# Altium PCB Digital_Optical_18Tx_14Tx4Rx.PcbDoc (part 1 of 2)
Units mm, origin at the board's own origin, x right, y up, seen from the top; angles counter-clockwise.
Board outline 155.99 x 100 mm, 2 copper layers (Top Layer, Bottom Layer); 176 components, 117 nets, 628 pads, 349 vias.
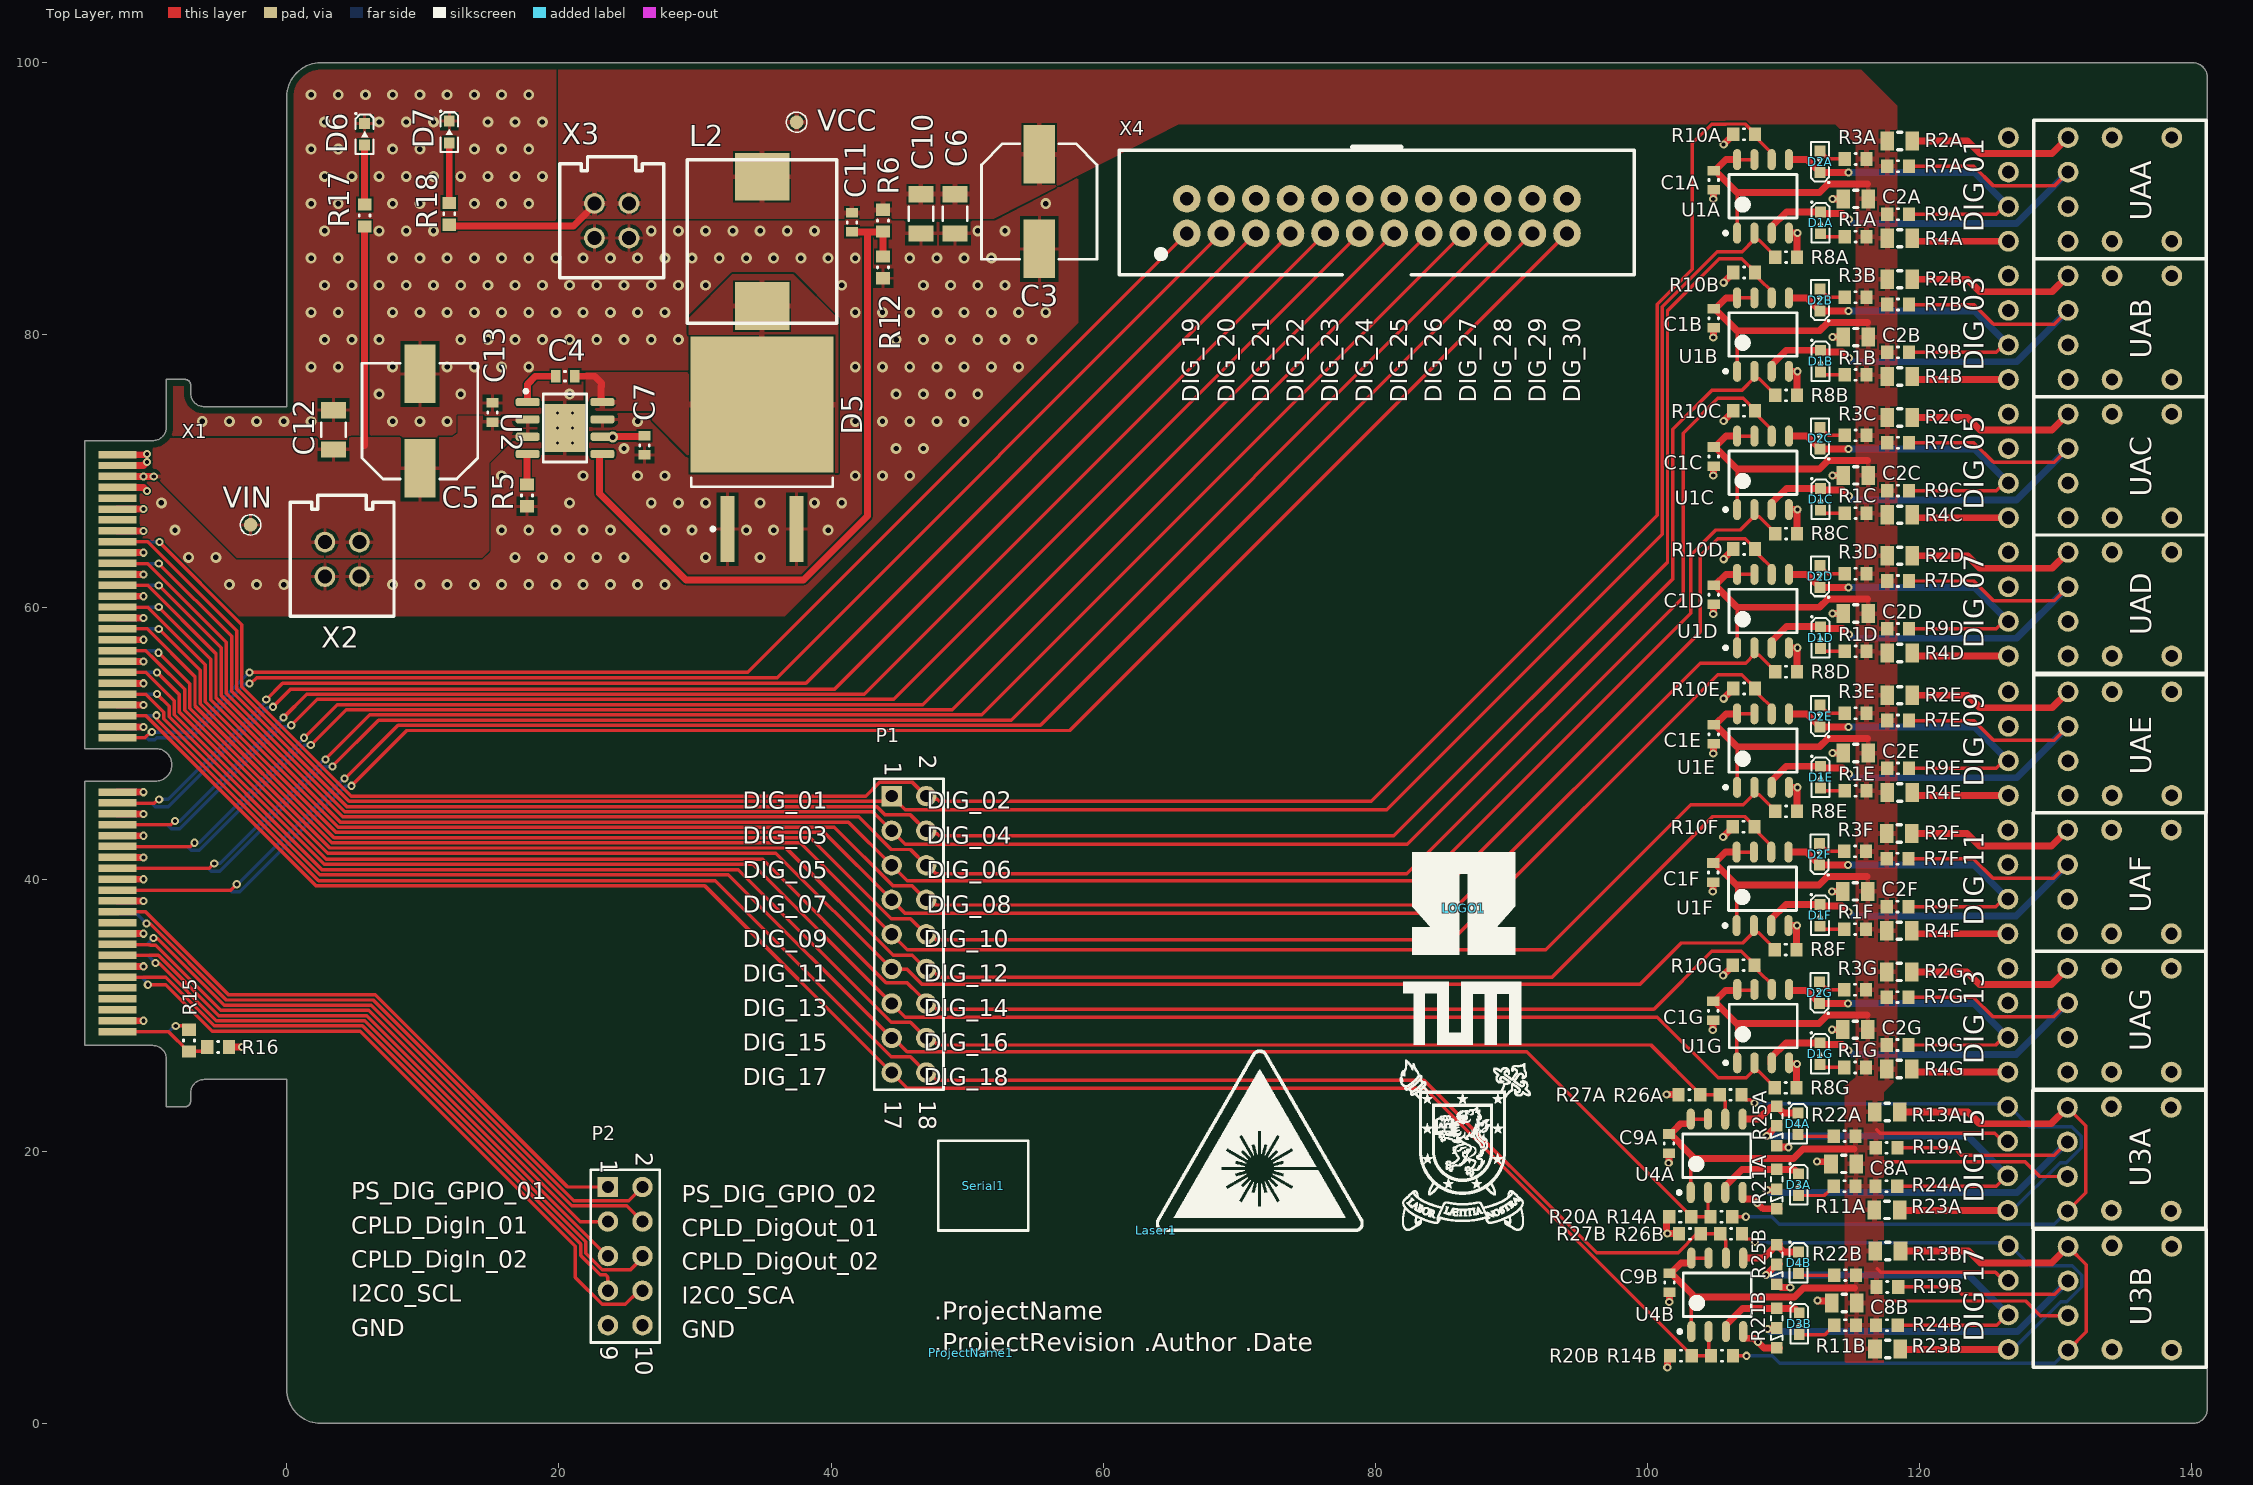
[diagram p0: Top Layer view]
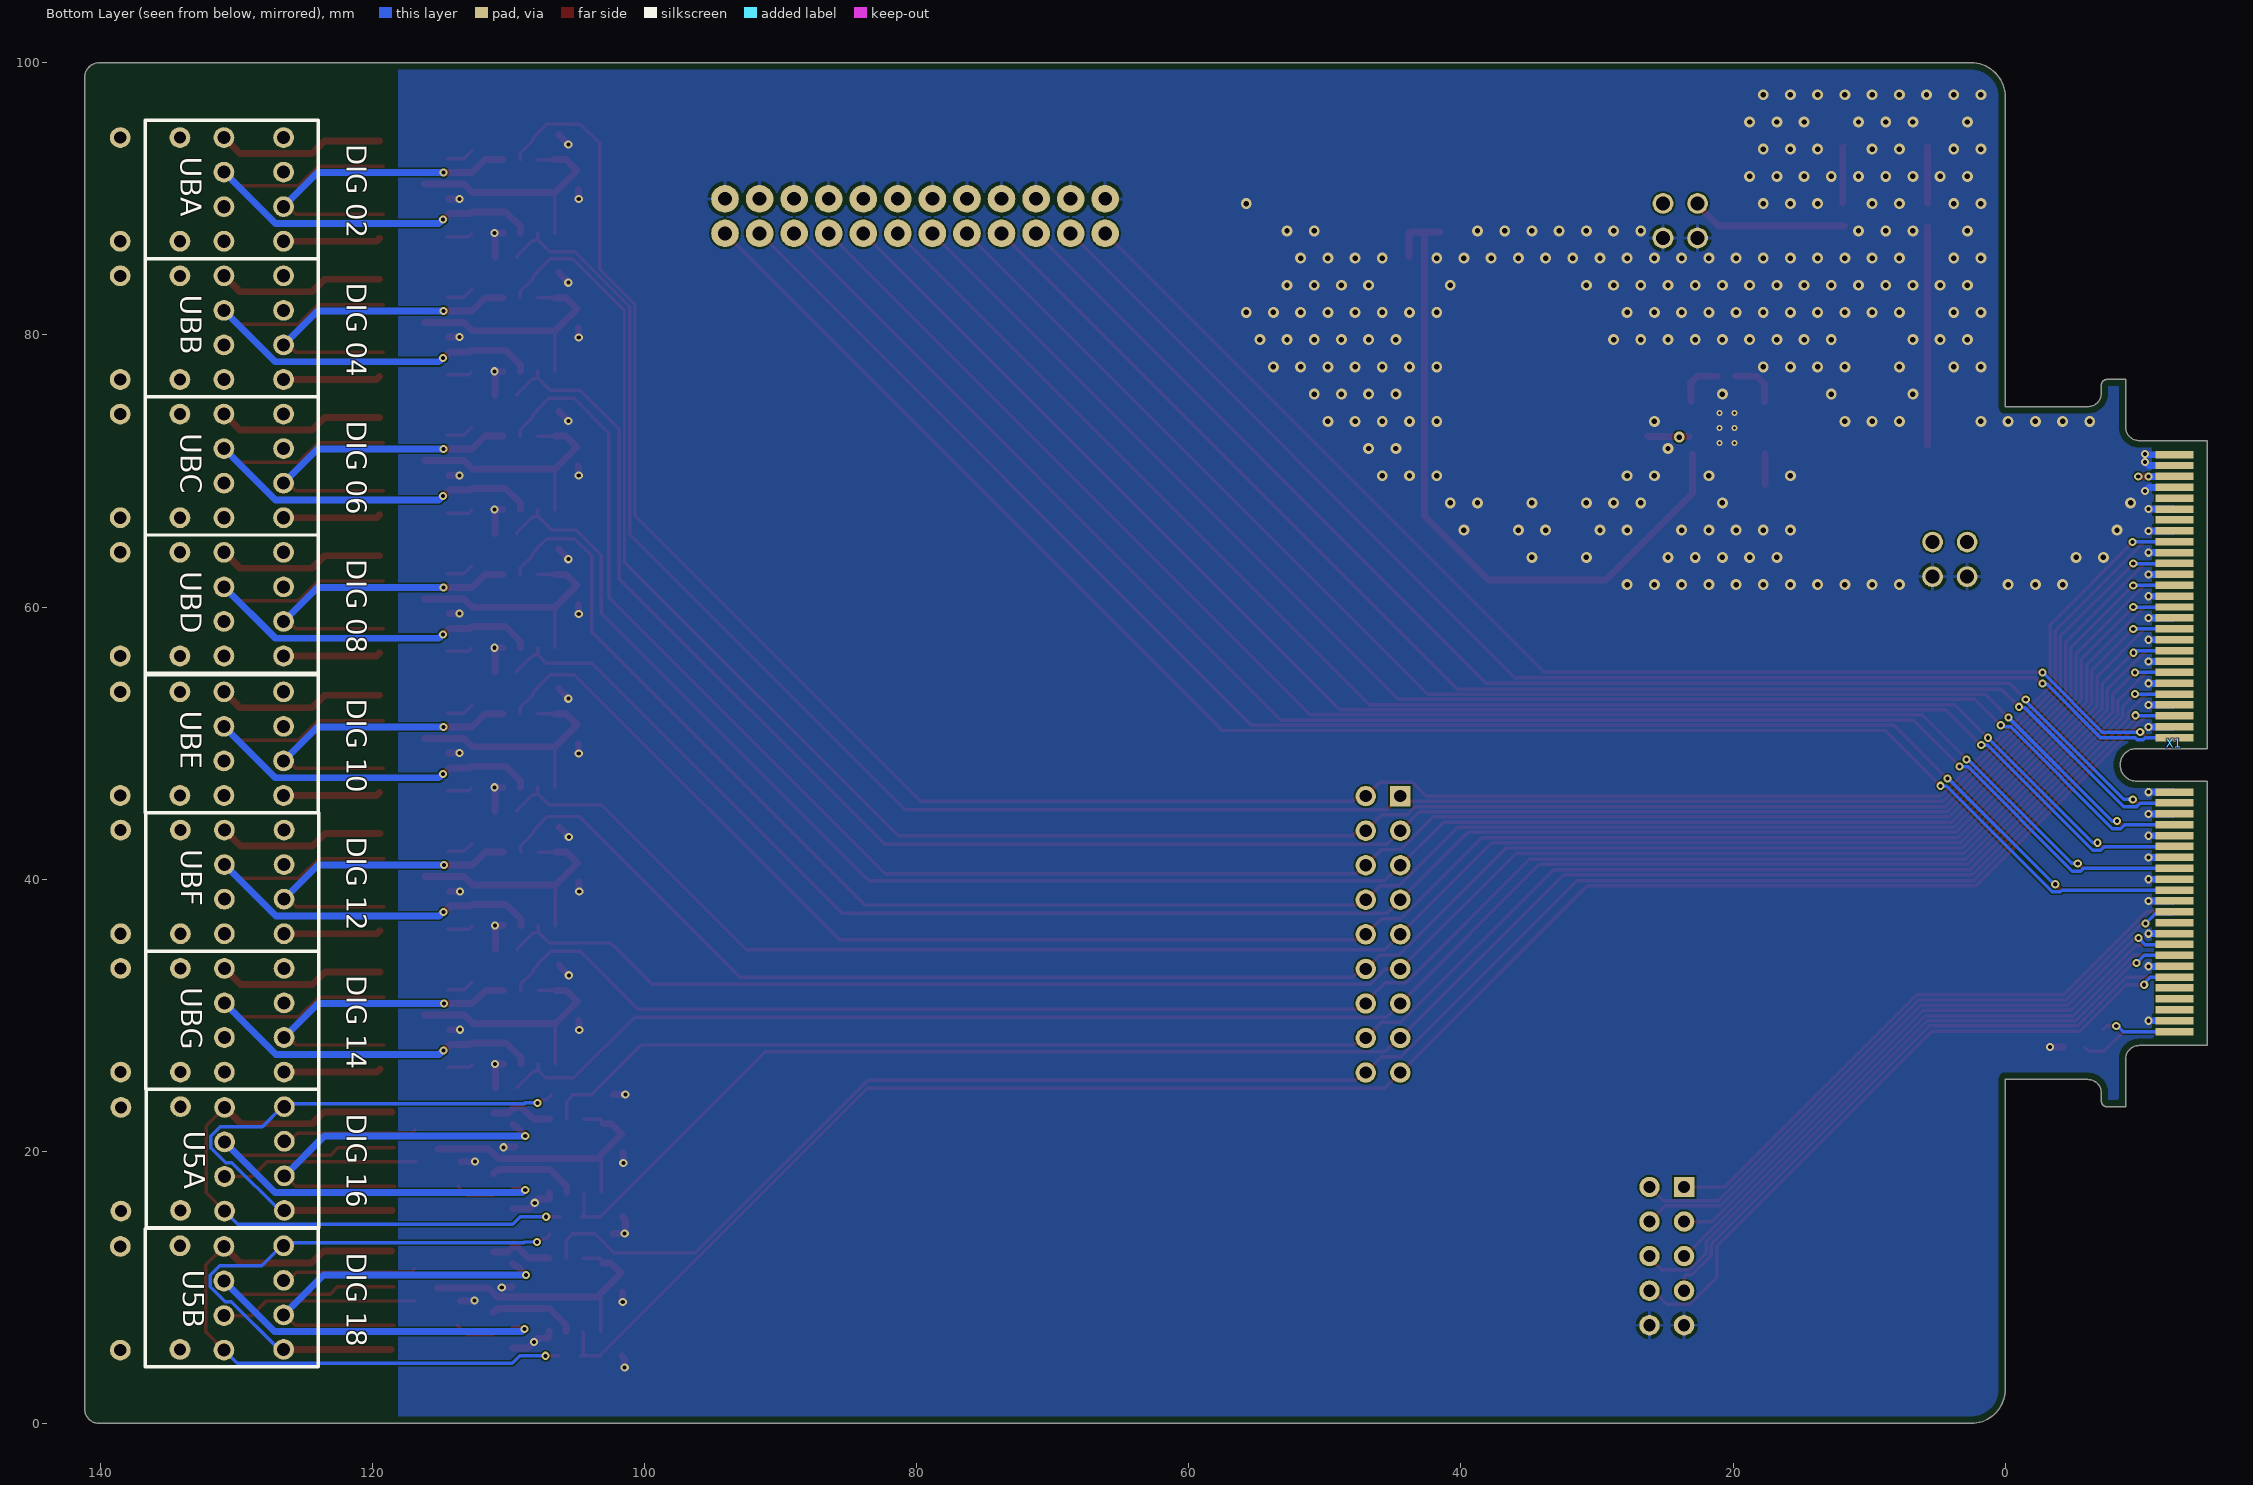
[diagram p1: Bottom Layer view, seen from below]
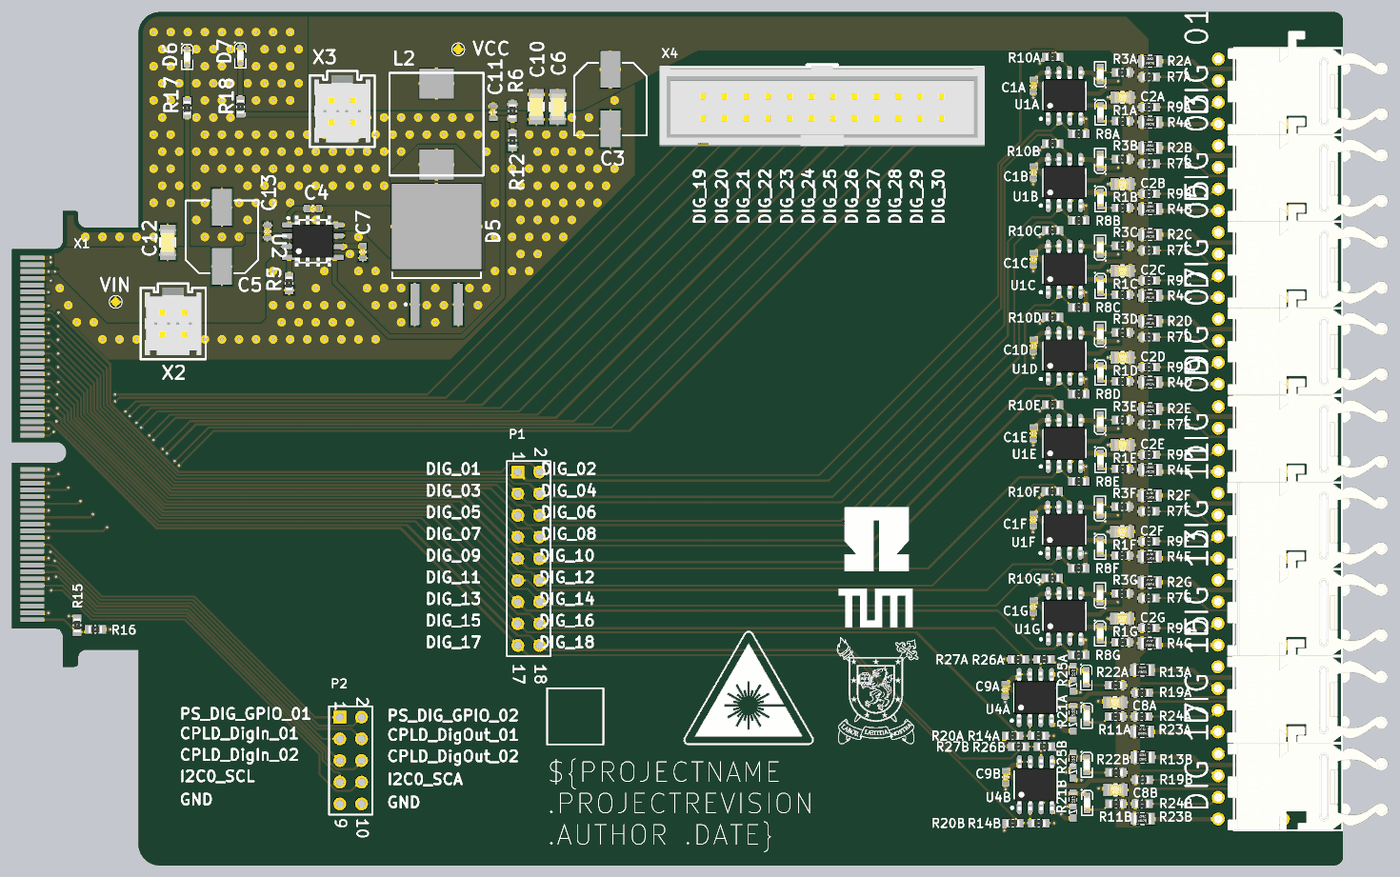
[diagram p3: 3D render of the assembled board from above, using the file's embedded part models]
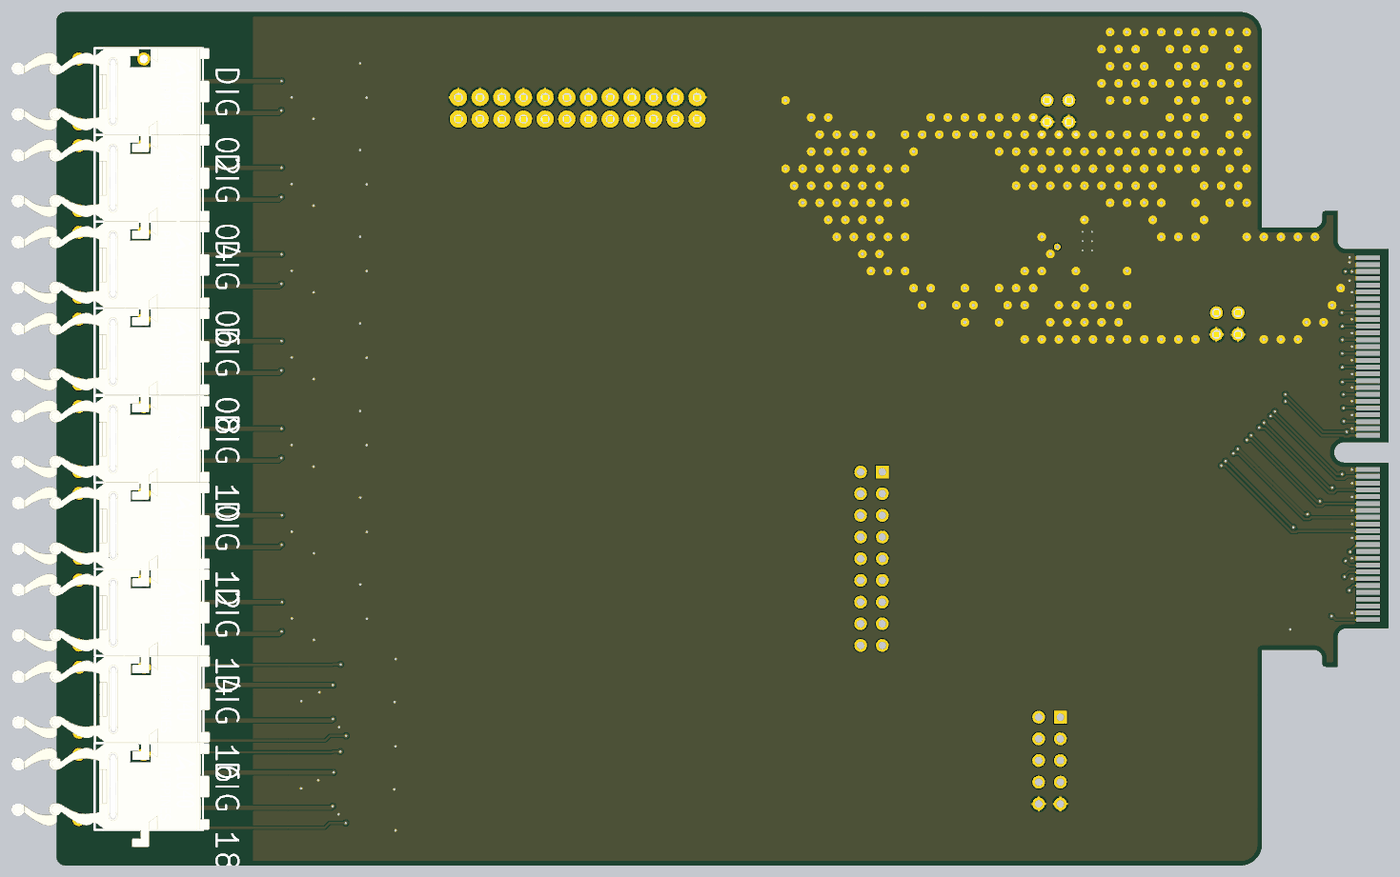
[diagram p4: 3D render of the assembled board from below, using the file's embedded part models]

## Layer stack, top to bottom
Top Solder: solder mask 0.0102, Solder Resist, Dk 3.5
Top Layer: signal copper 0.0356
Dielectric 1: dielectric 0.32, FR-4, Dk 4.8
Bottom Layer: signal copper 0.0356
Bottom Solder: solder mask 0.0102, Solder Resist, Dk 3.5

## Board outline
-14.853,27.775 -9.853,27.775 cw(c-9.853,26.775) -8.853,26.775 -8.853,23.275 -7.473,23.275 ccw(c-7.473,23.675) -7.073,23.675 -7.073,24.275 cw(c-6.073,24.275) -6.073,25.275 0,25.275 0,2.5 ccw(c2.5,2.5) 2.5,0 140,0 ccw(c140.07,1.07) 141.141,1 141.141,99 ccw(c140.07,98.93) 140,100 2.5,100 ccw(c2.5,97.5) 0,97.5 0,74.725 -6.073,74.725 cw(c-6.073,75.725) -7.073,75.725 -7.073,76.325 ccw(c-7.473,76.325) -7.473,76.725 -8.853,76.725 -8.853,73.225 cw(c-9.853,73.225) -9.853,72.225 -14.853,72.225 -14.853,49.6 -9.653,49.6 cw(c-9.653,48.4) -9.653,47.2 -14.853,47.2

## Design rules (kind name [scope] priority, off if disabled: settings)
BoardOutlineClearance [All] p1: gap=0.508 ignorepadtopadclearanceinfootprint=FALSE except(0: Arc-OutlineEdge Arc-CavityEdge Arc-CutoutEdge Arc-SplitBarrior Arc-SplitContinuation Track-OutlineEdge Track-CavityEdge Track-CutoutEdge Track-SplitBarrior Track-SplitContinuation Region-OutlineEdge Region-CavityEdge Region-CutoutEdge Region-SplitBarrior Region-SplitContinuation Text-OutlineEdge Text-CavityEdge Text-CutoutEdge Text-SplitBarrior Text-SplitContinuation)
Clearance [All] p1: gap=0.127 ignorepadtopadclearanceinfootprint=FALSE
HoleSize [All] p1: absolutevalues=TRUE maxlimit=6.3 minlimit=0.2 maxpercent=80.000 minpercent=20.000
MinimumSolderMaskSliver [All] p1: minsoldermaskwidth=0
PolygonConnect PolygonConnect_1 [InNet('VIN')] p1: connectstyle=Relief reliefconductorwidth=0.254 reliefentries=4 polygonreliefangle="90 Angle" airgapwidth=0.254
PolygonConnect PolygonConnect_GND [InNet('GND')] p2: thpad.connectstyle=Relief thpad.reliefconductorwidth=0.254 thpad.reliefentries=4 thpad.polygonreliefangle="90 Angle" thpad.airgapwidth=0.254 smdpad.connectstyle=Relief smdpad.reliefconductorwidth=0.254 smdpad.reliefentries=4 smdpad.polygonreliefangle="90 Angle" smdpad.airgapwidth=0.254 via.connectstyle=Direct via.reliefconductorwidth=0.254 via.reliefentries=4 via.polygonreliefangle="90 Angle" via.airgapwidth=0.254
PolygonConnect [All] p3: connectstyle=Relief reliefconductorwidth=0.381 reliefentries=4 polygonreliefangle="90 Angle" airgapwidth=0.127
RoomDefinition TX_PWM2 [InComponentClass('TX_PWM2')] p1: confinementstyle=ConfineIn formatcopy=TRUE lockcomponents=FALSE outline 104.042,79.79 104.042,82.648 105.234,82.648 105.234,84.002 105.321,84.002 105.321,85.613 122.968,85.613 122.968,85.992 127.356,85.992 127.356,87.896 146.663,87.896 146.663,75.07 142.275,75.07 142.275,73.166 122.968,73.166 122.968,74.527 108.416,74.527 108.416,76.044 105.234,76.044 105.234,79.79
RoomDefinition TX_PWM7 [InComponentClass('TX_PWM7')] p2: confinementstyle=ConfineIn formatcopy=TRUE lockcomponents=FALSE outline 104.007,28.888 104.007,31.746 105.199,31.746 105.199,33.1 105.286,33.1 105.286,34.711 122.933,34.711 122.933,35.09 127.321,35.09 127.321,36.994 146.628,36.994 146.628,24.168 142.24,24.168 142.24,22.264 122.933,22.264 122.933,23.625 108.381,23.625 108.381,25.142 105.199,25.142 105.199,28.888
RoomDefinition TX_PWM6 [InComponentClass('TX_PWM6')] p3: confinementstyle=ConfineIn formatcopy=TRUE lockcomponents=FALSE outline 104.007,39.056 104.007,41.914 105.199,41.914 105.199,43.268 105.286,43.268 105.286,44.879 122.933,44.879 122.933,45.258 127.321,45.258 127.321,47.162 146.628,47.162 146.628,34.336 142.24,34.336 142.24,32.432 122.933,32.432 122.933,33.793 108.381,33.793 108.381,35.31 105.199,35.31 105.199,39.056
RoomDefinition TX_PWM5 [InComponentClass('TX_PWM5')] p4: confinementstyle=ConfineIn formatcopy=TRUE lockcomponents=FALSE outline 104.042,49.216 104.042,52.074 105.234,52.074 105.234,53.428 105.321,53.428 105.321,55.039 122.968,55.039 122.968,55.418 127.356,55.418 127.356,57.322 146.663,57.322 146.663,44.496 142.275,44.496 142.275,42.592 122.968,42.592 122.968,43.953 108.416,43.953 108.416,45.47 105.234,45.47 105.234,49.216
RoomDefinition TX_PWM4 [InComponentClass('TX_PWM4')] p5: confinementstyle=ConfineIn formatcopy=TRUE lockcomponents=FALSE outline 104.042,59.47 104.042,62.328 105.234,62.328 105.234,63.682 105.321,63.682 105.321,65.293 122.968,65.293 122.968,65.672 127.356,65.672 127.356,67.576 146.663,67.576 146.663,54.75 142.275,54.75 142.275,52.846 122.968,52.846 122.968,54.207 108.416,54.207 108.416,55.724 105.234,55.724 105.234,59.47
RoomDefinition TX_PWM1 [InComponentClass('TX_PWM1')] p6: confinementstyle=ConfineIn formatcopy=TRUE lockcomponents=FALSE outline 104.042,89.95 104.042,92.808 105.234,92.808 105.234,94.162 105.321,94.162 105.321,95.773 122.968,95.773 122.968,96.152 127.356,96.152 127.356,98.056 146.663,98.056 146.663,85.23 142.275,85.23 142.275,83.326 122.968,83.326 122.968,84.687 108.416,84.687 108.416,86.204 105.234,86.204 105.234,89.95
RoomDefinition RX2 [InComponentClass('RX2')] p7: confinementstyle=ConfineIn formatcopy=TRUE lockcomponents=FALSE outline 100.674,3.936 100.674,5.994 100.792,5.994 100.792,11.777 101.342,11.777 101.342,14.953 104.371,14.953 127.35,14.953 127.35,16.558 146.657,16.558 146.657,3.732 142.269,3.732 142.269,1.879 122.962,1.879 122.962,3.936
RoomDefinition RX1 [InComponentClass('RX1')] p8: confinementstyle=ConfineIn formatcopy=TRUE lockcomponents=FALSE outline 100.629,14.157 100.629,16.215 100.748,16.215 100.748,21.998 101.298,21.998 101.298,25.173 104.326,25.173 127.306,25.173 127.306,26.778 146.613,26.778 146.613,13.952 142.225,13.952 142.225,12.099 122.918,12.099 122.918,14.157
RoomDefinition TX_PWM3 [InComponentClass('TX_PWM3')] p9: confinementstyle=ConfineIn formatcopy=TRUE lockcomponents=FALSE outline 104.042,69.63 104.042,72.488 105.234,72.488 105.234,73.842 105.321,73.842 105.321,75.453 122.968,75.453 122.968,75.832 127.356,75.832 127.356,77.736 146.663,77.736 146.663,64.91 142.275,64.91 142.275,63.006 122.968,63.006 122.968,64.367 108.416,64.367 108.416,65.884 105.234,65.884 105.234,69.63
RoutingVias [All] p1: holewidth=0.3 width=0.6 viastyle="Through Hole" minholewidth=0.3 minwidth=0.6 maxholewidth=0.4 maxwidth=0.8
SMDToPlane [All] p1 off: distance=0
SilkToSilkClearance [All] p1: silktosilkclearance=0
SilkToSolderMaskClearance [IsPad] p1: minsilkscreentomaskgap=0 clearancetoexposedcopper=TRUE
SolderMaskExpansion [All] p1: expansion=0.102 istentingtop=FALSE
Width Width_PWR [InNet('VCC') or InNet('GND') or InNet('VIN')] p1: maxlimit=0.762 minlimit=0.127 preferedwidth=0.508
Width [All] p2: maxlimit=0.762 minlimit=0.127 preferedwidth=0.508
26 further rules are at their usual default settings.

## Classes and differential pairs
component class Connector: P2 R3* R15 R16 X1
component class Power: C3 C4 C5 C6 C7 C10 C11 C12 C13 D5 D6 D7 L2 R3* R5 R6 R12 R17 R18 U2 VCC VIN X2
component class RX1: C8A C9A D3A D4A R3* R11A R13A R14A R19A R20A R21A R22A R23A R24A R25A R26A R27A U3A U4A U5A
component class RX2: C8B C9B D3B D4B R3* R11B R13B R14B R19B R20B R21B R22B R23B R24B R25B R26B R27B U3B U4B U5B
component class TopSheet: Laser1 LOGO1 P1 ProjectName1 R3* Serial1 X3 X4
net class GATE_A[1..7]: GATE_A1 GATE_A2 GATE_A3 GATE_A4 GATE_A5 GATE_A6 GATE_A7
net class GATE_B[1..7]: GATE_B1 GATE_B2 GATE_B3 GATE_B4 GATE_B5 GATE_B6 GATE_B7
channel class Optical_RX: RX1 RX2 RX3
component class TX_PWM1: C1A C2A D1A D2A R1A R2A R3* R3A R4A R7A R8A R9A R10A U1A UAA UBA
component class TX_PWM2: C1B C2B D1B D2B R1B R2B R3* R3B R4B R7B R8B R9B R10B U1B UAB UBB
component class TX_PWM3: C1C C2C D1C D2C R1C R2C R3* R3C R4C R7C R8C R9C R10C U1C UAC UBC
component class TX_PWM4: C1D C2D D1D D2D R1D R2D R3* R3D R4D R7D R8D R9D R10D U1D UAD UBD
component class TX_PWM5: C1E C2E D1E D2E R1E R2E R3* R3E R4E R7E R8E R9E R10E U1E UAE UBE
component class TX_PWM6: C1F C2F D1F D2F R1F R2F R3* R3F R4F R7F R8F R9F R10F U1F UAF UBF
component class TX_PWM7: C1G C2G D1G D2G R1G R2G R3* R3G R4G R7G R8G R9G R10G U1G UAG UBG
channel class Optical_TX: TX_PWM1 TX_PWM2 TX_PWM3 TX_PWM4 TX_PWM5 TX_PWM6 TX_PWM7 TX_PWM8
net class Signal_A[1..2]: Signal_A1 Signal_A2
net class Signal_B[1..2]: Signal_B1 Signal_B2
